# Altium PCB GridSeed.PcbDoc (part 1 of 4) (continued)
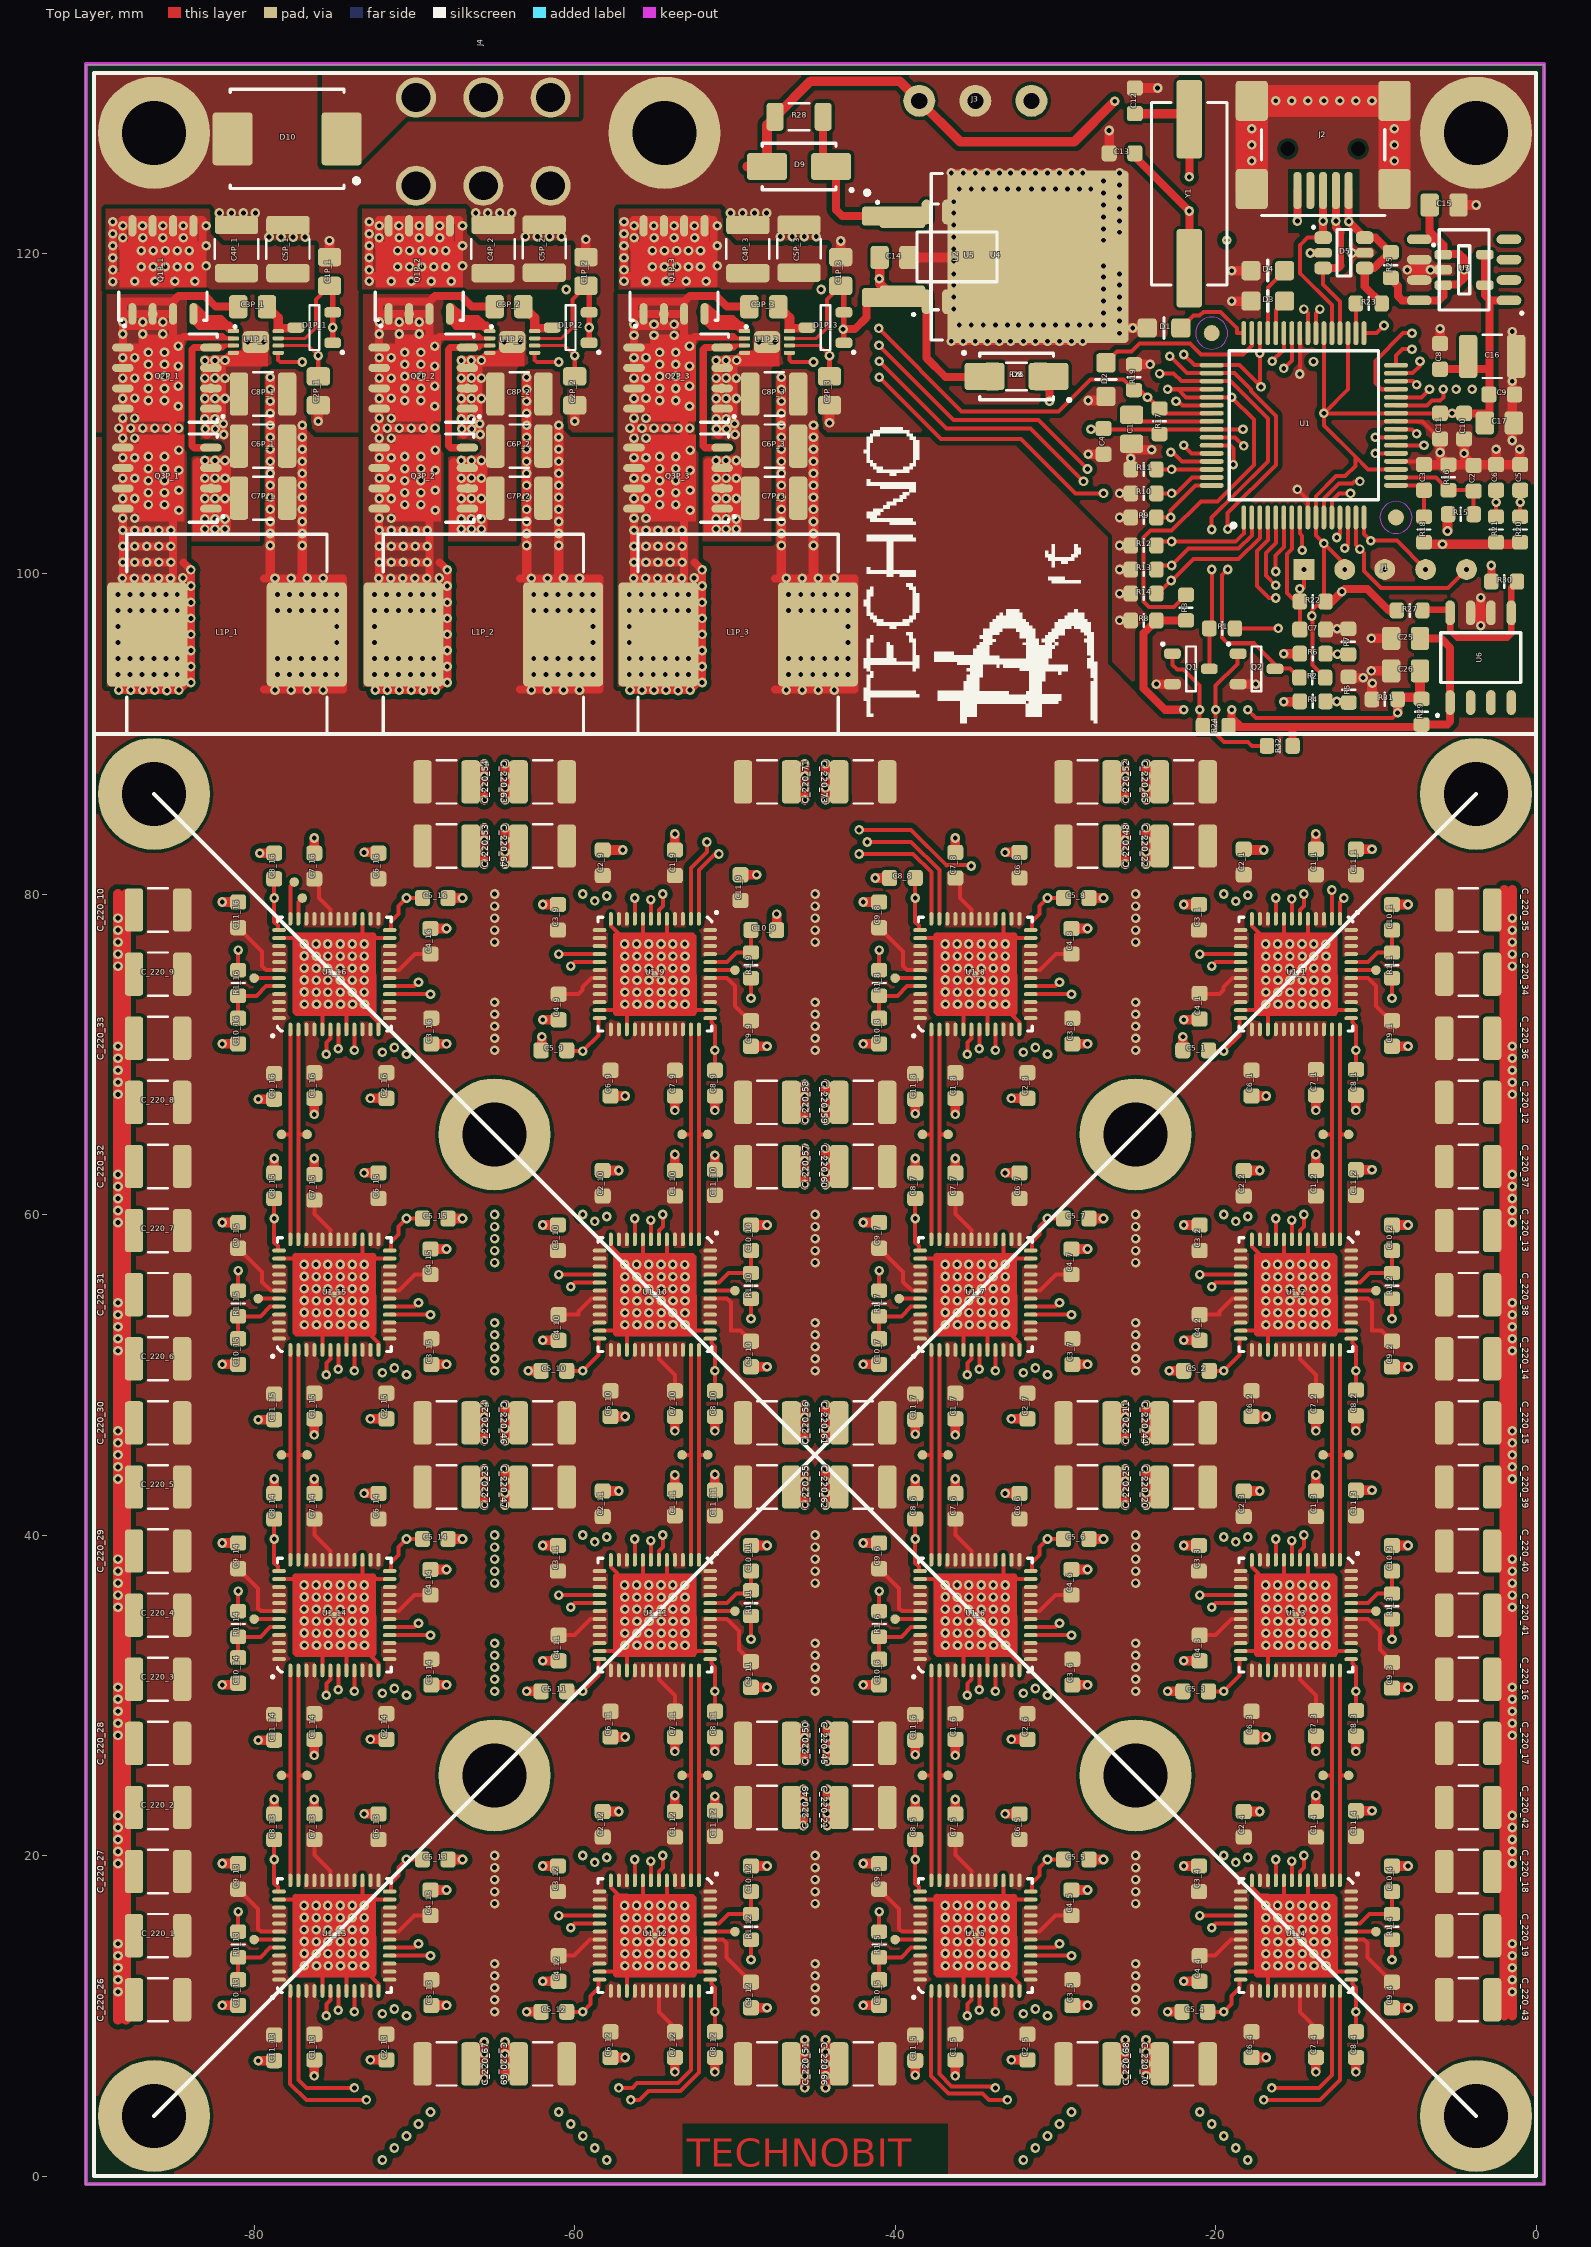
[diagram p0: Top Layer view]
## Components (designator, comment, footprint, x,y, rotation, side; value= is the part's Value field where it differs from the comment)
C1 "10uF/16V" SMD_0805_CAPC2012X145N -25.25,109 r270 top
C1_1 "470nF" SMD_0603_CAPC1608X80N -13.75,82 r90 top
C1_2 "470nF" SMD_0603_CAPC1608X80N -13.75,61.95 r90 top
C1_3 "470nF" SMD_0603_CAPC1608X80N -13.75,41.95 r90 top
C1_4 "470nF" SMD_0603_CAPC1608X80N -13.75,21.95 r90 top
C1_5 "470nF" SMD_0603_CAPC1608X80N -36.25,8.05 r270 top
C1_6 "470nF" SMD_0603_CAPC1608X80N -36.25,28.05 r270 top
C1_7 "470nF" SMD_0603_CAPC1608X80N -36.25,48.05 r270 top
C1_8 "470nF" SMD_0603_CAPC1608X80N -36.25,68.05 r270 top
C1_9 "470nF" SMD_0603_CAPC1608X80N -53.75,81.95 r90 top
C1_10 "470nF" SMD_0603_CAPC1608X80N -53.75,61.95 r90 top
C1_11 "470nF" SMD_0603_CAPC1608X80N -53.75,42 r90 top
C1_12 "470nF" SMD_0603_CAPC1608X80N -53.75,21.95 r90 top
C1_13 "470nF" SMD_0603_CAPC1608X80N -76.25,8.05 r270 top
C1_14 "470nF" SMD_0603_CAPC1608X80N -76.25,28.05 r270 top
C1_15 "470nF" SMD_0603_CAPC1608X80N -76.25,48.05 r270 top
C1_16 "470nF" SMD_0603_CAPC1608X80N -76.25,68.05 r270 top
C1P_1 "10uF/16V" SMD_0805_CAPC2012X145N -75.3,118.85 r270 top
C1P_2 "10uF/16V" SMD_0805_CAPC2012X145N -59.3,118.85 r270 top
C1P_3 "10uF/16V" SMD_0805_CAPC2012X145N -43.4,118.85 r270 top
C2 "1nF" SMD_0603_CAPC1608X80N -3.9,105.95 r90 top
C2_1 "470nF" SMD_0603_CAPC1608X80N -18.25,82 r90 top
C2_2 "470nF" SMD_0603_CAPC1608X80N -18.25,61.95 r90 top
C2_3 "470nF" SMD_0603_CAPC1608X80N -18.25,41.95 r90 top
C2_4 "470nF" SMD_0603_CAPC1608X80N -18.25,21.95 r90 top
C2_5 "470nF" SMD_0603_CAPC1608X80N -31.75,8.05 r270 top
C2_6 "470nF" SMD_0603_CAPC1608X80N -31.75,28.05 r270 top
C2_7 "470nF" SMD_0603_CAPC1608X80N -31.75,48.05 r270 top
C2_8 "470nF" SMD_0603_CAPC1608X80N -31.75,68.05 r270 top
C2_9 "470nF" SMD_0603_CAPC1608X80N -58.25,81.95 r90 top
C2_10 "470nF" SMD_0603_CAPC1608X80N -58.25,61.95 r90 top
C2_11 "470nF" SMD_0603_CAPC1608X80N -58.25,41.95 r90 top
C2_12 "470nF" SMD_0603_CAPC1608X80N -58.25,21.95 r90 top
C2_13 "470nF" SMD_0603_CAPC1608X80N -71.75,8.05 r270 top
C2_14 "470nF" SMD_0603_CAPC1608X80N -71.75,28.05 r270 top
C2_15 "470nF" SMD_0603_CAPC1608X80N -71.75,48.05 r270 top
C2_16 "470nF" SMD_0603_CAPC1608X80N -71.75,68.05 r270 top
C2P_1 "1uF/16V" SMD_0805_CAPC2012X145N -76,111.4 r270 top
C2P_2 "1uF/16V" SMD_0805_CAPC2012X145N -60,111.4 r270 top
C2P_3 "1uF/16V" SMD_0805_CAPC2012X145N -44.1,111.4 r270 top
C3 "1nF" SMD_0603_CAPC1608X80N -7,106 r90 top
C3_1 "470nF" SMD_0603_CAPC1608X80N -21.05,78.55 r90 top
C3_2 "470nF" SMD_0603_CAPC1608X80N -21,58.55 r90 top
C3_3 "470nF" SMD_0603_CAPC1608X80N -21.05,38.55 r90 top
C3_4 "470nF" SMD_0603_CAPC1608X80N -21.05,18.55 r90 top
C3_5 "470nF" SMD_0603_CAPC1608X80N -28.95,11.45 r270 top
C3_6 "470nF" SMD_0603_CAPC1608X80N -28.95,31.45 r270 top
C3_7 "470nF" SMD_0603_CAPC1608X80N -28.95,51.45 r270 top
C3_8 "470nF" SMD_0603_CAPC1608X80N -28.95,71.45 r270 top
C3_9 "470nF" SMD_0603_CAPC1608X80N -61.05,78.55 r90 top
C3_10 "470nF" SMD_0603_CAPC1608X80N -61.05,58.55 r90 top
C3_11 "470nF" SMD_0603_CAPC1608X80N -61.05,38.55 r90 top
C3_12 "470nF" SMD_0603_CAPC1608X80N -61.05,18.55 r90 top
C3_13 "470nF" SMD_0603_CAPC1608X80N -68.95,11.45 r270 top
C3_14 "470nF" SMD_0603_CAPC1608X80N -68.95,31.45 r270 top
C3_15 "470nF" SMD_0603_CAPC1608X80N -68.95,51.45 r270 top
C3_16 "470nF" SMD_0603_CAPC1608X80N -68.95,71.45 r270 top
C3P_1 "100nF/50V" SMD_0805_CAPC2012X145N -80.1,116.65 r180 top
C3P_2 "100nF/50V" SMD_0805_CAPC2012X145N -64.1,116.65 r180 top
C3P_3 "100nF/50V" SMD_0805_CAPC2012X145N -48.2,116.65 r180 top
C4 "100nF" SMD_0603_CAPC1608X80N -27,108.25 r270 top
C4_1 "470nF" SMD_0603_CAPC1608X80N -21,73 r270 top
C4_2 "470nF" SMD_0603_CAPC1608X80N -21,52.95 r270 top
C4_3 "470nF" SMD_0603_CAPC1608X80N -21,32.95 r270 top
C4_4 "470nF" SMD_0603_CAPC1608X80N -21,12.95 r270 top
C4_5 "470nF" SMD_0603_CAPC1608X80N -29,17.05 r90 top
C4_6 "470nF" SMD_0603_CAPC1608X80N -29,37.05 r90 top
C4_7 "470nF" SMD_0603_CAPC1608X80N -29,57.05 r90 top
C4_8 "470nF" SMD_0603_CAPC1608X80N -29,77.05 r90 top
C4_9 "470nF" SMD_0603_CAPC1608X80N -61,72.95 r270 top
C4_10 "470nF" SMD_0603_CAPC1608X80N -61,52.95 r270 top
C4_11 "470nF" SMD_0603_CAPC1608X80N -61,32.95 r270 top
C4_12 "470nF" SMD_0603_CAPC1608X80N -61,12.95 r270 top
C4_13 "470nF" SMD_0603_CAPC1608X80N -69,17.05 r90 top
C4_14 "470nF" SMD_0603_CAPC1608X80N -69,37.05 r90 top
C4_15 "470nF" SMD_0603_CAPC1608X80N -69,57.05 r90 top
C4_16 "470nF" SMD_0603_CAPC1608X80N -69,77.05 r90 top
C4P_1 "100uF" SMD_1210_CAPC3225X279N -81.1,120.25 r90 top
C4P_2 "100uF" SMD_1210_CAPC3225X279N -65.1,120.25 r90 top
C4P_3 "100uF" SMD_1210_CAPC3225X279N -49.2,120.25 r90 top
C5 "1nF" SMD_0603_CAPC1608X80N -1,106 r90 top
C5_1 "470nF" SMD_0603_CAPC1608X80N -21.25,70.25 r0 top
C5_2 "470nF" SMD_0603_CAPC1608X80N -21.2,50.25 r0 top
C5_3 "470nF" SMD_0603_CAPC1608X80N -21.25,30.25 r0 top
C5_4 "470nF" SMD_0603_CAPC1608X80N -21.3,10.25 r0 top
C5_5 "470nF" SMD_0603_CAPC1608X80N -28.7,19.75 r180 top
C5_6 "470nF" SMD_0603_CAPC1608X80N -28.7,39.75 r180 top
C5_7 "470nF" SMD_0603_CAPC1608X80N -28.7,59.75 r180 top
C5_8 "470nF" SMD_0603_CAPC1608X80N -28.7,79.75 r180 top
C5_9 "470nF" SMD_0603_CAPC1608X80N -61.3,70.25 r0 top
C5_10 "470nF" SMD_0603_CAPC1608X80N -61.3,50.25 r0 top
C5_11 "470nF" SMD_0603_CAPC1608X80N -61.3,30.25 r0 top
C5_12 "470nF" SMD_0603_CAPC1608X80N -61.3,10.25 r0 top
C5_13 "470nF" SMD_0603_CAPC1608X80N -68.7,19.75 r180 top
C5_14 "470nF" SMD_0603_CAPC1608X80N -68.7,39.75 r180 top
C5_15 "470nF" SMD_0603_CAPC1608X80N -68.7,59.75 r180 top
C5_16 "470nF" SMD_0603_CAPC1608X80N -68.7,79.75 r180 top
C5P_1 "100uF" SMD_1210_CAPC3225X279N -77.9,120.25 r90 top
C5P_2 "100uF" SMD_1210_CAPC3225X279N -61.9,120.275 r90 top
C5P_3 "100uF" SMD_1210_CAPC3225X279N -46,120.275 r90 top
C6 "1nF" SMD_0603_CAPC1608X80N -2.5,106 r90 top
C6_1 "470nF" SMD_0603_CAPC1608X80N -17.757,68.2 r270 top
C6_2 "470nF" SMD_0603_CAPC1608X80N -17.757,48.2 r270 top
C6_3 "470nF" SMD_0603_CAPC1608X80N -17.757,28.2 r270 top
C6_4 "470nF" SMD_0603_CAPC1608X80N -17.757,8.2 r270 top
C6_5 "470nF" SMD_0603_CAPC1608X80N -32.243,21.8 r90 top
C6_6 "470nF" SMD_0603_CAPC1608X80N -32.243,41.8 r90 top
C6_7 "470nF" SMD_0603_CAPC1608X80N -32.243,61.8 r90 top
C6_8 "470nF" SMD_0603_CAPC1608X80N -32.243,81.8 r90 top
C6_9 "470nF" SMD_0603_CAPC1608X80N -57.757,68.2 r270 top
C6_10 "470nF" SMD_0603_CAPC1608X80N -57.757,48.2 r270 top
C6_11 "470nF" SMD_0603_CAPC1608X80N -57.757,28.2 r270 top
C6_12 "470nF" SMD_0603_CAPC1608X80N -57.757,8.2 r270 top
C6_13 "470nF" SMD_0603_CAPC1608X80N -72.243,21.8 r90 top
C6_14 "470nF" SMD_0603_CAPC1608X80N -72.243,41.8 r90 top
C6_15 "470nF" SMD_0603_CAPC1608X80N -72.243,61.8 r90 top
C6_16 "470nF" SMD_0603_CAPC1608X80N -72.25,81.75 r90 top
C6P_1 "220uF" SMD_1210_CAPC3225X279N -79.45,107.95 r180 top
C6P_2 "220uF" SMD_1210_CAPC3225X279N -63.45,107.95 r180 top
C6P_3 "220uF" SMD_1210_CAPC3225X279N -47.55,107.95 r180 top
C7 "100nF" SMD_0603_CAPC1608X80N -13.95,96.5 r0 top
C7_1 "470nF" SMD_0603_CAPC1608X80N -13.75,68.25 r270 top
C7_2 "470nF" SMD_0603_CAPC1608X80N -13.75,48.2 r270 top
C7_3 "470nF" SMD_0603_CAPC1608X80N -13.75,28.25 r270 top
C7_4 "470nF" SMD_0603_CAPC1608X80N -13.75,8.2 r270 top
C7_5 "470nF" SMD_0603_CAPC1608X80N -36.25,21.8 r90 top
C7_6 "470nF" SMD_0603_CAPC1608X80N -36.25,41.8 r90 top
C7_7 "470nF" SMD_0603_CAPC1608X80N -36.25,61.8 r90 top
C7_8 "470nF" SMD_0603_CAPC1608X80N -36.25,81.8 r90 top
C7_9 "470nF" SMD_0603_CAPC1608X80N -53.75,68.2 r270 top
C7_10 "470nF" SMD_0603_CAPC1608X80N -53.75,48.2 r270 top
C7_11 "470nF" SMD_0603_CAPC1608X80N -53.75,28.2 r270 top
C7_12 "470nF" SMD_0603_CAPC1608X80N -53.75,8.2 r270 top
C7_13 "470nF" SMD_0603_CAPC1608X80N -76.25,21.8 r90 top
C7_14 "470nF" SMD_0603_CAPC1608X80N -76.25,41.8 r90 top
C7_15 "470nF" SMD_0603_CAPC1608X80N -76.25,61.7 r90 top
C7_16 "470nF" SMD_0603_CAPC1608X80N -76.25,81.75 r90 top
C7P_1 "220uF" SMD_1210_CAPC3225X279N -79.45,104.7 r180 top
C7P_2 "220uF" SMD_1210_CAPC3225X279N -63.45,104.7 r180 top
C7P_3 "220uF" SMD_1210_CAPC3225X279N -47.55,104.7 r180 top
C8 "100nF" SMD_0603_CAPC1608X80N -6.001,113.55 r90 top
C8_1 "470nF" SMD_0603_CAPC1608X80N -11.25,68.25 r270 top
C8_2 "470nF" SMD_0603_CAPC1608X80N -11.25,48.25 r270 top
C8_3 "470nF" SMD_0603_CAPC1608X80N -11.25,28.25 r270 top
C8_4 "470nF" SMD_0603_CAPC1608X80N -11.25,8.2 r270 top
C8_5 "470nF" SMD_0603_CAPC1608X80N -38.75,21.8 r90 top
C8_6 "470nF" SMD_0603_CAPC1608X80N -38.75,41.8 r90 top
C8_7 "470nF" SMD_0603_CAPC1608X80N -38.75,61.8 r90 top
C8_8 "470nF" SMD_0603_CAPC1608X80N -39.55,81 r180 top
C8_9 "470nF" SMD_0603_CAPC1608X80N -51.25,68.2 r270 top
C8_10 "470nF" SMD_0603_CAPC1608X80N -51.25,48.2 r270 top
C8_11 "470nF" SMD_0603_CAPC1608X80N -51.25,28.2 r270 top
C8_12 "470nF" SMD_0603_CAPC1608X80N -51.25,8.2 r270 top
C8_13 "470nF" SMD_0603_CAPC1608X80N -78.75,21.8 r90 top
C8_14 "470nF" SMD_0603_CAPC1608X80N -78.75,41.8 r90 top
C8_15 "470nF" SMD_0603_CAPC1608X80N -78.75,61.8 r90 top
C8_16 "470nF" SMD_0603_CAPC1608X80N -78.75,81.75 r90 top
C8P_1 "220uF" SMD_1210_CAPC3225X279N -79.45,111.2 r180 top
C8P_2 "220uF" SMD_1210_CAPC3225X279N -63.45,111.2 r180 top
C8P_3 "220uF" SMD_1210_CAPC3225X279N -47.55,111.2 r180 top
C9 "100nF" SMD_0603_CAPC1608X80N -2.15,111.175 r0 top
C9_1 "470nF" SMD_0603_CAPC1608X80N -9,71.3 r270 top
C9_2 "470nF" SMD_0603_CAPC1608X80N -9,51.3 r270 top
C9_3 "470nF" SMD_0603_CAPC1608X80N -9,31.25 r270 top
C9_4 "470nF" SMD_0603_CAPC1608X80N -9,11.3 r270 top
C9_5 "470nF" SMD_0603_CAPC1608X80N -41,18.7 r90 top
C9_6 "470nF" SMD_0603_CAPC1608X80N -41,38.7 r90 top
C9_7 "470nF" SMD_0603_CAPC1608X80N -41,58.7 r90 top
C9_8 "470nF" SMD_0603_CAPC1608X80N -41,78.7 r90 top
C9_9 "470nF" SMD_0603_CAPC1608X80N -49,71.3 r270 top
C9_10 "470nF" SMD_0603_CAPC1608X80N -49,51.3 r270 top
C9_11 "470nF" SMD_0603_CAPC1608X80N -49,31.3 r270 top
C9_12 "470nF" SMD_0603_CAPC1608X80N -49,11.3 r270 top
C9_13 "470nF" SMD_0603_CAPC1608X80N -81,18.7 r90 top
C9_14 "470nF" SMD_0603_CAPC1608X80N -81,38.7 r90 top
C9_15 "470nF" SMD_0603_CAPC1608X80N -81,58.7 r90 top
C9_16 "470nF" SMD_0603_CAPC1608X80N -78.75,68 r270 top
C10 "100nF" SMD_0603_CAPC1608X80N -4.5,109.2 r270 top
C10_1 "470nF" SMD_0603_CAPC1608X80N -9,78.55 r90 top
C10_2 "470nF" SMD_0603_CAPC1608X80N -9,58.55 r90 top
C10_3 "470nF" SMD_0603_CAPC1608X80N -9,38.55 r90 top
C10_4 "470nF" SMD_0603_CAPC1608X80N -9,18.55 r90 top
C10_5 "470nF" SMD_0603_CAPC1608X80N -41,11.45 r270 top
C10_6 "470nF" SMD_0603_CAPC1608X80N -41,31.45 r270 top
C10_7 "470nF" SMD_0603_CAPC1608X80N -41,51.45 r270 top
C10_8 "470nF" SMD_0603_CAPC1608X80N -41,71.45 r270 top
C10_9 "470nF" SMD_0603_CAPC1608X80N -48.2,77.75 r0 top
C10_10 "470nF" SMD_0603_CAPC1608X80N -49,58.55 r90 top
C10_11 "470nF" SMD_0603_CAPC1608X80N -49,38.55 r90 top
C10_12 "470nF" SMD_0603_CAPC1608X80N -49,18.55 r90 top
C10_13 "470nF" SMD_0603_CAPC1608X80N -81,11.45 r270 top
C10_14 "470nF" SMD_0603_CAPC1608X80N -81,31.55 r270 top
C10_15 "470nF" SMD_0603_CAPC1608X80N -81,51.45 r270 top
C10_16 "470nF" SMD_0603_CAPC1608X80N -81,71.45 r270 top
C11 "100nF" SMD_0603_CAPC1608X80N -6,109.2 r270 top
C11_1 "470nF" SMD_0603_CAPC1608X80N -11.25,82 r90 top
C11_2 "470nF" SMD_0603_CAPC1608X80N -11.25,62 r90 top
C11_3 "470nF" SMD_0603_CAPC1608X80N -11.25,42 r90 top
C11_4 "470nF" SMD_0603_CAPC1608X80N -11.25,22 r90 top
C11_5 "470nF" SMD_0603_CAPC1608X80N -38.75,8 r270 top
C11_6 "470nF" SMD_0603_CAPC1608X80N -38.75,28 r270 top
C11_7 "470nF" SMD_0603_CAPC1608X80N -38.75,48 r270 top
C11_8 "470nF" SMD_0603_CAPC1608X80N -38.75,68 r270 top
C11_9 "470nF" SMD_0603_CAPC1608X80N -49.65,80.4 r90 top
C11_10 "470nF" SMD_0603_CAPC1608X80N -51.25,62 r90 top
C11_11 "470nF" SMD_0603_CAPC1608X80N -51.25,42 r90 top
C11_12 "470nF" SMD_0603_CAPC1608X80N -51.25,22 r90 top
C11_13 "470nF" SMD_0603_CAPC1608X80N -78.75,8 r270 top
C11_14 "470nF" SMD_0603_CAPC1608X80N -78.75,28 r270 top
C11_15 "470nF" SMD_0603_CAPC1608X80N -78.75,48 r270 top
C11_16 "470nF" SMD_0603_CAPC1608X80N -81,78.7 r90 top
C12 "18pF" SMD_0603_CAPC1608X80N -25.05,129.5 r90 top
C13 "18pF" SMD_0603_CAPC1608X80N -25.85,126.225 r180 top
C14 "10uF/16V" SMD_0805_CAPC2012X145N -40.075,119.725 r0 top
C15 "10uF/16V" SMD_0805_CAPC2012X145N -5.75,123 r0 top
C16 "220uF" SMD_1210_CAPC3225X279N -2.75,113.55 r0 top
C17 "22uF/6.3V" SMD_0805_CAPC2012X145N -2.3,109.4 r0 top
C25 "22uF/6.3V" SMD_0805_CAPC2012X145N -8.15,95.95 r0 top
C26 "22uF/6.3V" SMD_0805_CAPC2012X145N -8.15,93.925 r180 top
C_220_1 "(OPT)220uF" SMD_1210_CAPC3225X279N -86,15 r180 top
C_220_2 "(OPT)220uF" SMD_1210_CAPC3225X279N -86,23 r180 top
C_220_3 "(OPT)220uF" SMD_1210_CAPC3225X279N -86,31 r180 top
C_220_4 "(OPT)220uF" SMD_1210_CAPC3225X279N -86,35 r180 top
C_220_5 "(OPT)220uF" SMD_1210_CAPC3225X279N -86,43 r180 top
C_220_6 "(OPT)220uF" SMD_1210_CAPC3225X279N -86,51 r180 top
C_220_7 "(OPT)220uF" SMD_1210_CAPC3225X279N -86,59 r180 top
C_220_8 "(OPT)220uF" SMD_1210_CAPC3225X279N -86,67 r180 top
C_220_9 "(OPT)220uF" SMD_1210_CAPC3225X279N -86,75 r180 top
C_220_10 "(OPT)220uF" SMD_1210_CAPC3225X279N -86,79 r180 top
C_220_11 "(OPT)220uF" SMD_1210_CAPC3225X279N -22,47 r180 top
C_220_12 "(OPT)220uF" SMD_1210_CAPC3225X279N -4.25,67 r0 top
C_220_13 "(OPT)220uF" SMD_1210_CAPC3225X279N -4.25,59 r0 top
C_220_14 "(OPT)220uF" SMD_1210_CAPC3225X279N -4.25,51 r0 top
C_220_15 "(OPT)220uF" SMD_1210_CAPC3225X279N -4.25,47 r0 top
C_220_16 "(OPT)220uF" SMD_1210_CAPC3225X279N -4.25,31 r0 top
C_220_17 "(OPT)220uF" SMD_1210_CAPC3225X279N -4.25,27 r0 top
C_220_18 "(OPT)220uF" SMD_1210_CAPC3225X279N -4.25,19 r0 top
C_220_19 "(OPT)220uF" SMD_1210_CAPC3225X279N -4.25,15 r0 top
C_220_20 "(OPT)220uF" SMD_1210_CAPC3225X279N -28,43 r0 top
C_220_21 "(OPT)220uF" SMD_1210_CAPC3225X279N -48,23 r0 top
C_220_22 "(OPT)220uF" SMD_1210_CAPC3225X279N -28,83 r0 top
C_220_23 "(OPT)220uF" SMD_1210_CAPC3225X279N -62,43 r180 top
C_220_24 "(OPT)220uF" SMD_1210_CAPC3225X279N -62,47 r180 top
C_220_25 "(OPT)220uF" SMD_1210_CAPC3225X279N -22,43 r180 top
C_220_26 "(OPT)220uF" SMD_1210_CAPC3225X279N -86,11 r180 top
C_220_27 "(OPT)220uF" SMD_1210_CAPC3225X279N -86,19 r180 top
C_220_28 "(OPT)220uF" SMD_1210_CAPC3225X279N -86,27 r180 top
C_220_29 "(OPT)220uF" SMD_1210_CAPC3225X279N -86,39 r180 top
C_220_30 "(OPT)220uF" SMD_1210_CAPC3225X279N -86,47 r180 top
C_220_31 "(OPT)220uF" SMD_1210_CAPC3225X279N -86,55 r180 top
C_220_32 "(OPT)220uF" SMD_1210_CAPC3225X279N -86,63 r180 top
C_220_33 "(OPT)220uF" SMD_1210_CAPC3225X279N -86,71 r180 top
C_220_34 "(OPT)220uF" SMD_1210_CAPC3225X279N -4.25,75 r0 top
C_220_35 "(OPT)220uF" SMD_1210_CAPC3225X279N -4.25,79 r0 top
C_220_36 "(OPT)220uF" SMD_1210_CAPC3225X279N -4.25,71 r0 top
C_220_37 "(OPT)220uF" SMD_1210_CAPC3225X279N -4.25,63 r0 top
C_220_38 "(OPT)220uF" SMD_1210_CAPC3225X279N -4.25,55 r0 top
C_220_39 "(OPT)220uF" SMD_1210_CAPC3225X279N -4.25,43 r0 top
C_220_40 "(OPT)220uF" SMD_1210_CAPC3225X279N -4.25,39 r0 top
C_220_41 "(OPT)220uF" SMD_1210_CAPC3225X279N -4.25,35 r0 top
C_220_42 "(OPT)220uF" SMD_1210_CAPC3225X279N -4.25,23 r0 top
C_220_43 "(OPT)220uF" SMD_1210_CAPC3225X279N -4.25,11 r0 top
C_220_44 "(OPT)220uF" SMD_1210_CAPC3225X279N -28,47 r0 top
C_220_45 "(OPT)220uF" SMD_1210_CAPC3225X279N -48,27 r0 top
C_220_46 "(OPT)220uF" SMD_1210_CAPC3225X279N -68,47 r0 top
C_220_47 "(OPT)220uF" SMD_1210_CAPC3225X279N -68,43 r0 top
C_220_48 "(OPT)220uF" SMD_1210_CAPC3225X279N -22,83 r180 top
C_220_49 "(OPT)220uF" SMD_1210_CAPC3225X279N -42,23 r180 top
C_220_50 "(OPT)220uF" SMD_1210_CAPC3225X279N -42,27 r180 top
C_220_51 "(OPT)220uF" SMD_1210_CAPC3225X279N -42,7 r180 top
C_220_52 "(OPT)220uF" SMD_1210_CAPC3225X279N -22,87 r180 top
C_220_53 "(OPT)220uF" SMD_1210_CAPC3225X279N -62,83 r180 top
C_220_54 "(OPT)220uF" SMD_1210_CAPC3225X279N -62,87 r180 top
C_220_55 "(OPT)220uF" SMD_1210_CAPC3225X279N -42,43 r180 top
C_220_56 "(OPT)220uF" SMD_1210_CAPC3225X279N -42,47 r180 top
C_220_57 "(OPT)220uF" SMD_1210_CAPC3225X279N -42,63 r180 top
C_220_58 "(OPT)220uF" SMD_1210_CAPC3225X279N -42,67 r180 top
C_220_59 "(OPT)220uF" SMD_1210_CAPC3225X279N -48,67 r0 top
C_220_60 "(OPT)220uF" SMD_1210_CAPC3225X279N -48,63 r0 top
C_220_61 "(OPT)220uF" SMD_1210_CAPC3225X279N -48,47 r0 top
C_220_62 "(OPT)220uF" SMD_1210_CAPC3225X279N -48,43 r0 top
C_220_63 "(OPT)220uF" SMD_1210_CAPC3225X279N -68,87 r0 top
C_220_64 "(OPT)220uF" SMD_1210_CAPC3225X279N -68,83 r0 top
C_220_65 "(OPT)220uF" SMD_1210_CAPC3225X279N -28,87 r0 top
C_220_66 "(OPT)220uF" SMD_1210_CAPC3225X279N -48,7 r0 top
C_220_67 "(OPT)220uF" SMD_1210_CAPC3225X279N -62,7 r180 top
C_220_68 "(OPT)220uF" SMD_1210_CAPC3225X279N -22,7 r180 top
C_220_69 "(OPT)220uF" SMD_1210_CAPC3225X279N -68,7 r0 top
C_220_70 "(OPT)220uF" SMD_1210_CAPC3225X279N -28,7 r0 top
C_220_71 "(OPT)220uF" SMD_1210_CAPC3225X279N -42,87 r180 top
C_220_73 "(OPT)220uF" SMD_1210_CAPC3225X279N -48,87 r0 top
D1 "Red SML210VT ROHM" SMD_0805_LED2012X100N -23.225,115.325 r0 top
D1P_1 "BAT54C" SMD_SOT23_SOT95P240X120-3N -76.25,115.35 r180 top
D1P_2 "BAT54C" SMD_SOT23_SOT95P240X120-3N -60.25,115.35 r180 top
D1P_3 "BAT54C" SMD_SOT23_SOT95P240X120-3N -44.35,115.35 r180 top
D2 "Green 	SML210MT ROHM" SMD_0805_LED2012X100N -26.85,112.1 r90 top
D3 "Yellow SML210YT ROHM" SMD_0805_LED2012X100N -16.75,117 r0 top
D4 "Orange 	SML210DT ROHM" SMD_0805_LED2012X100N -16.75,118.9 r0 top
D5 "SMS05T1G" SMD_SOT95P280X145-6N-W -12,120.01 r0 top
D7 "(OPT)SS14" SMD_DO214AC_SMA -32.425,112.3 r0 top
D8 "(OPT)SS14" SMD_DO214AC_SMA -32.425,112.3 r180 top
D9 "SS14" SMD_DO214AC_SMA -46,125.4 r180 top
D10 "SMCJ12A" SMD_DO214AC_SMC -77.95,127.125 r180 top
J1 "(OPT) CON PROGRAM" "SIP5 PGM TOP" -14.5,100.25 r0 top
J2 "CU04SCM15B0-R0" SMD_CON-CVILUX-CU04-SCM15B0 -13.3,126.5 r180 top
J3 "CON_3PINS" PTH_CON_3.5mm_3PINs -31.5,129.5 r180 top
J4 "WURTH 649 006 295 22" PTH_CON_PCI-E -69.9,124.2 r0 top
L1P_1 "SLC1480-201MLD" "SMD_INDM12501250X800A - Coilcraft SLC1480" -81.7,96.2 r0 top